# Altium PCB PCB1 - Copy.PcbDoc (part 2 of 2)
Units mil, origin at the board's own origin, x right, y up, seen from the top; angles counter-clockwise.
Board outline 5314.96 x 2362.2 mil, 2 copper layers (Top Layer, Bottom Layer); 259 components, 147 nets, 813 pads, 328 vias.
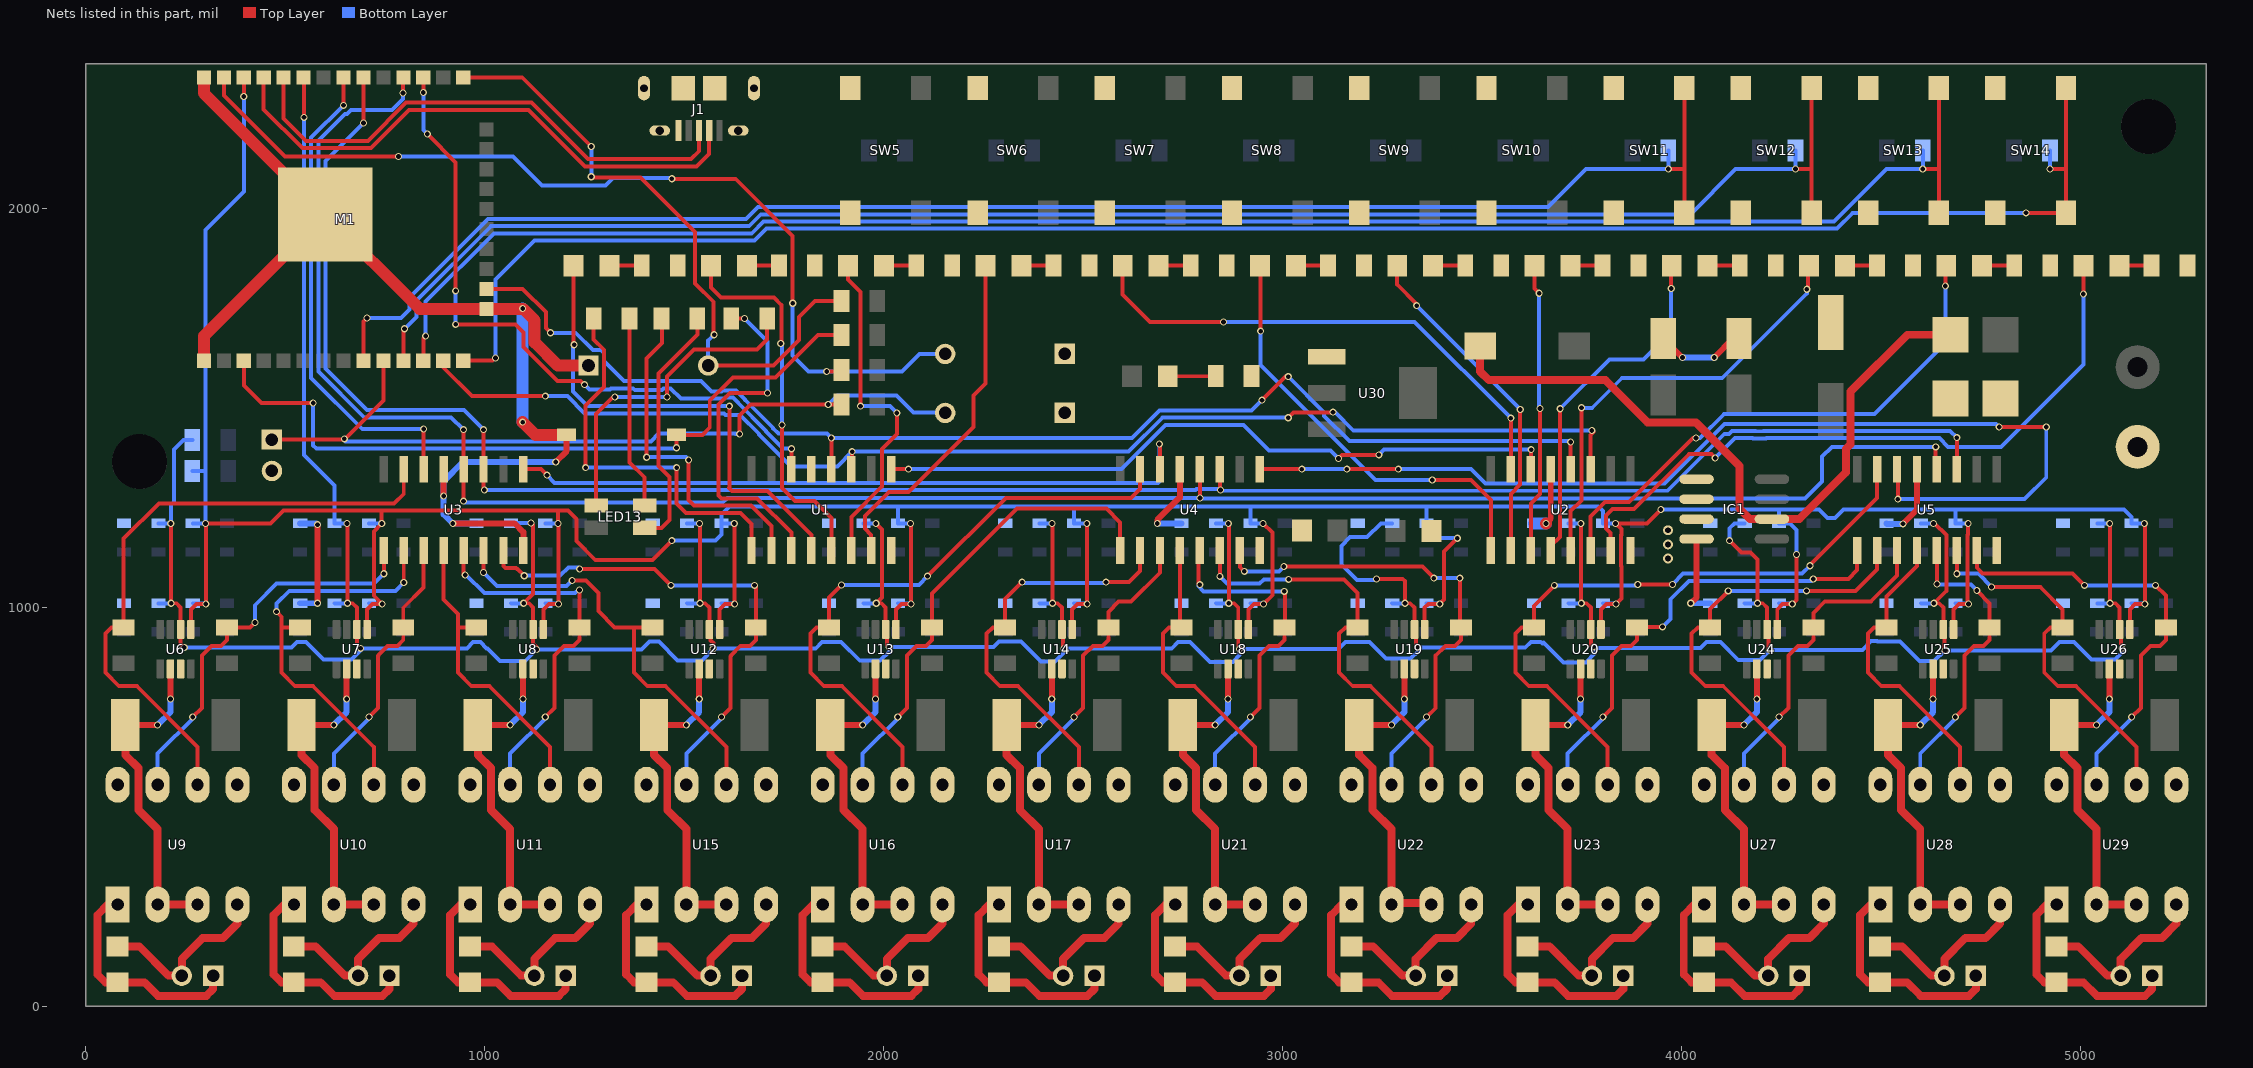
[diagram p2: the nets of this part, all layers, seen from the top]

## Via types
v1: diameter 17.72, hole 11.81, Top Layer to Bottom Layer, tented both sides, 328 vias

## Nets (pads, with @x,y where several pads share a name; then routed paths per layer and width w, separated by ;. In a path a pad name is that pad's centre, name@x,y a point inside that pad or via, vN(x,y) a via of type N, cw(c..) or ccw(c..) an arc to the next point about the centre after c; other vN are vias at no path point) (continued)
BTN_M7: M1.9 R159.2 SW11.1 SW11.4 | length 3944.3
  Top Layer w10: M1.9@696,1618 696,1716 v1(705,1725) ; v1@3966.33,2098 4006.92,2098 ; SW11.4@4006.92,1988.5 4006.92,2098 ; SW11.1@4006.92,2301.5 4006.92,2098
  Bottom Layer w10: v1(705,1725) 790,1725 811,1746 811,1775.91 1008.09,1973 1654.37,1973 1684.37,2003 3665,2003 3760.4,2098.4 v1(3966.73,2098.4) R159.2@3966.73,2144.5
BTN_M8: M1.11 R160.2 SW12.1 SW12.4 | length 4157.1
  Top Layer w10: M1.11@796,1618 796,1695 v1(799,1698) ; v1@4285.22,2098 4325.8,2098 ; SW12.4@4325.8,1988.5 4325.8,2098 ; SW12.1@4325.8,2301.5 4325.8,2098
  Bottom Layer w10: v1(799,1698) 829,1728 829,1768.46 1015.54,1955 1661.82,1955 1691.82,1985 4022,1985 4135.4,2098.4 v1(4285.62,2098.4) R160.2@4285.62,2144.5
BTN_M9: M1.12 R161.2 SW13.1 SW13.4 | length 4440.4
  Top Layer w10: M1.12@846,1618 846,1674 v1(852,1680) ; v1@4604.11,2098 4644.69,2098 ; SW13.4@4644.69,1988.5 4644.69,2098 ; SW13.1@4644.69,2301.5 4644.69,2098
  Bottom Layer w10: v1(852,1680) 852,1766 1023,1937 1669.28,1937 1699.28,1967 4382,1967 4513.4,2098.4 v1(4604.51,2098.4) R161.2@4604.51,2144.5
BTN_M10: M1.14 R162.2 SW14.1 SW14.4 | length 4685.5
  Top Layer w10: M1.14@946,1618 1020,1618 v1(1027,1625) ; v1(4863.5,1988.5) SW14.4@4963.58,1988.5 4963.58,2098 ; v1@4923,2098 4963.58,2098 ; SW14.1@4963.58,2301.5 4963.58,2098
  Bottom Layer w10: v1(1027,1625) 1027,1821 1125,1919 1676.73,1919 1706.73,1949 4389.46,1949 4428.96,1988.5 v1(4863.5,1988.5) ; v1(4923.39,2098.4) R162.2@4923.39,2144.5
DS: M1.31 U3.14 | length 1224
  Top Layer w10: v1(646,2258) M1.31@646,2328 ; U3.14@847,1346 v1(847,1447)
  Bottom Layer w10: v1(646,2258) 565,2177 565,1575 693,1447 v1(847,1447) v1@848,1448
DS_2: M1.27 U1.14 | length 1705.4
  Top Layer w10: v1(846,2290) M1.27@846,2328 ; v1(856,2186) 927,2115 v1(927,1793) ; v1(927,1709) 1077,1709 1097,1689 1097,1652.4 1181.99,1567.41 1240.59,1567.41 v1(1250,1558) ; U1.14@1768.75,1346 v1(1768.75,1397.25)
  Bottom Layer w10: v1(846,2290) 846,2196 v1(856,2186) ; v1(927,1709) v1(927,1793) ; v1(1250,1558) 1262,1546 1314.09,1546 1316.95,1548.86 1372.14,1548.86 1376,1545 1444.09,1545 1447.95,1548.86 1466.05,1548.86 1491.91,1523 1601.09,1523 1603.95,1525.86 1622.05,1525.86 1634.86,1513.05 1634.86,1512.6 1705.14,1442.31 1705.14,1440.49 1747.63,1398 1768,1398 v1(1768.75,1397.25)
GND: C13.1 C14.1 C15.2 C16.2 C17.2 DIO1.1 DIO2.1 HD1.1 IC1.5 IC1.6 IC1.7 IC1.8 J1.5 J1.S1 J1.S2 J1.S3 J1.S4 J1.S5 J1.S6 J2.2 M1.1 M1.15 M1.38 M1.101 pad.6 pad.7 pad.8 R5.2 R6.2 R7.2 R8.2 R9.2 R10.2 R11.2 R12.2 R13.2 R14.2 R15.2 R16.2 R45.1 R47.1 R49.1 R50.1 R51.1 R52.1 R78.1 R80.1 R82.1 R83.1 R84.1 R85.1 R111.1 R113.1 R115.1 R116.1 R117.1 R118.1 R144.1 R146.1 R148.1 R149.1 R150.1 R151.1 R152.2 SW1.2 SW2.1 SW3.1 SW4.1 SW5.2 SW5.3 SW6.2 SW6.3 SW7.2 SW7.3 SW8.2 SW8.3 SW9.2 SW9.3 SW10.2 SW10.3 SW11.2 SW11.3 SW12.2 SW12.3 SW13.2 SW13.3 SW14.2 SW14.3 U1.8 U1.13 U2.8 U2.13 U3.8 U3.13 U4.8 U4.13 U5.8 U5.13 U6.3 U7.3 U8.3 U9.5 U9.8 U10.5 U10.8 U11.5 U11.8 U12.3 U13.3 U14.3 U15.5 U15.8 U16.5 U16.8 U17.5 U17.8 U18.3 U19.3 U20.3 U21.5 U21.8 U22.5 U22.8 U23.5 U23.8 U24.3 U25.3 U26.3 U27.5 U27.8 U28.5 U28.8 U29.5 U29.8 U30.1 | length 4388.1
  Top Layer w15: v1(581,1010) v1(581,1207) ; v1(897,1279) U3.13@897,1346 ; v1(920,1210) 1075,1210 1097,1188 U3.8@1097,1142 ; v1(1178,1364) 1205.2,1391.2 SW1.2@1205.2,1432 ; v1(2686,1210) 2686,1219 2742.5,1275.5 U4.13@2742.5,1346 ; v1(3660,1210) 3672,1222 U2.13@3672,1346 ; C17.2@3954,1673.87 v1(4002,1625.87) ; v1(4023,1010) 4037.51,1024.51 IC1.8@4037.51,1171 ; v1(4081.87,1625.87) 4129.87,1673.87 C16.2@4144,1673.87 ; v1(4555,1209) 4590,1244 U5.13@4590,1346
  Top Layer w30: M1.1@296,1618 296,1679.65 M1.101@600.49,1984.14 ; M1.38@296,2328 296,2288.63 M1.101@600.49,1984.14 ; v1(1095,1464) 1127,1432 SW1.2@1205.2,1432 ; SW2.1@1260,1606 1183,1606 1125,1664 1125,1719 1096.08,1747.92 M1.15@1004.66,1747.92 836.71,1747.92 M1.101@600.49,1984.14
  Bottom Layer w15: R51.1@537.4,1010 v1(581,1010) ; R47.1@537.4,1210 578,1210 v1(581,1207) ; R49.1@979.22,1210 v1(920,1210) 897,1233 v1(897,1279) 897,1316 945,1364 v1(1178,1364) ; v1(2686,1210) R111.1@2746.49,1210 ; v1(4002,1625.87) v1(4081.87,1625.87) ; v1(4023,1010) R149.1@4071.94,1010 ; R146.1@4513.76,1210 4514.76,1209 v1(4555,1209)
  Bottom Layer w30: v1(1095,1464) v1(1095,1749) ; R115.1@3630.13,1210 v1(3660,1210)
L1DOWN: R23.2 U3.1 U9.7 | length 1018.2
  Top Layer w10: v1(268,725) 291,748 291,879 314.99,903 339,903 353.91,917.91 R23.2@353.91,949.45 411.45,949.45 v1(424,962) ; v1(747,1084) U3.1@747,1142
  Bottom Layer w10: U9.7@180,555 180,633 272,725 v1(268,725) ; v1(424,962) 424,1005 478,1059 722,1059 v1(747,1084)
L1UP: R24.2 U3.15 U9.6 | length 1586.4
  Top Layer w10: U9.6@280,555 280,650 128,802 83,802 49,836 49,934 64.45,949.45 R24.2@95.08,949.45 95.08,1172.08 183,1260 773,1260 797,1284 U3.15@797,1346
L2DOWN: R25.2 U3.3 U10.7 | length 700
  Top Layer w10: v1(709.82,725) 732.81,748 732.81,877.37 733.86,878.42 733.86,880.05 756.81,903 780.82,903 795.73,917.91 R25.2@795.73,949.45 795.73,998.73 847,1050 U3.3@847,1142
  Bottom Layer w10: U10.7@621.82,555 621.82,633 713.82,725 v1(709.82,725)
L2UP: R26.2 U3.2 U10.6 | length 1048.4
  Top Layer w10: v1(478,989) 490.82,976.18 490.82,949.45 ; R26.2@536.9,949.45 490.82,949.45 ; U10.6@721.82,555 721.82,650 569.82,802 524.82,802 490.82,836 490.82,949.45 ; v1(797,1062) U3.2@797,1142
  Bottom Layer w10: v1(478,989) 478,1009 510,1041 776,1041 v1(797,1062)
L3DOWN: R27.2 U3.5 U11.7 | length 953.1
  Top Layer w10: U3.5@947,1142 947,1085 v1(951,1081) ; v1(1151.64,725) 1174.63,748 1174.63,875.19 1174.86,875.42 1174.86,879.23 1198.63,903 1222.64,903 1237.55,917.91 R27.2@1237.55,949.45 v1(1237.55,1043.45)
  Bottom Layer w10: v1(951,1081) 953,1081 998.86,1035.14 1226.14,1035.14 1236,1045 v1(1237.55,1043.45) ; U11.7@1063.64,555 1063.64,633 1155.64,725 v1(1151.64,725)
L3UP: R28.2 U3.4 U11.6 | length 769.9
  Top Layer w10: U3.4@897,1142 897,1019 932.64,983.36 932.64,949.45 ; R28.2@978.72,949.45 932.64,949.45 ; U11.6@1163.64,555 1163.64,650 1011.64,802 966.64,802 932.64,836 932.64,949.45
L4DOWN: R56.2 U3.7 U15.7 | length 1298.4
  Top Layer w10: U3.7@1047,1142 1047,1103 1052,1098 1078.62,1098 1081.12,1095.5 1082.5,1095.5 v1(1099,1079) ; v1(1238,1096) 1426,1096 v1(1467,1055) ; v1(1593.45,725) 1616.45,748 1616.45,877.01 1616.86,877.42 1616.86,879.41 1640.45,903 1664.45,903 1679.37,917.91 R56.2@1679.37,949.45 1679.37,1051.63 v1(1676,1055)
  Bottom Layer w10: v1(1099,1079) 1189,1079 1210,1100 1234,1100 v1(1238,1096) ; v1(1467,1055) v1(1676,1055) ; U15.7@1505.46,555 1505.46,633 1597.45,725 v1(1593.45,725)
L4UP: R57.2 U3.6 U15.6 | length 1090.4
  Top Layer w10: v1(997,1087) U3.6@997,1142 ; v1(1219,1067) 1254,1067 1285,1036 1285,990 1325.55,949.45 1374.45,949.45 ; R57.2@1420.53,949.45 1374.45,949.45 ; U15.6@1605.46,555 1605.46,650 1453.45,802 1408.45,802 1374.45,836 1374.45,949.45
  Bottom Layer w10: v1(997,1087) 1030.86,1053.14 1205.14,1053.14 v1(1219,1067)
L5DOWN: R58.2 U4.1 U16.7 | length 1215.2
  Top Layer w10: v1(2035.27,725) 2058.27,748 2058.27,879 2082.26,903 2106.27,903 2121.19,917.91 R58.2@2121.19,949.45 2121.19,1034.19 2334,1247 2558,1247 2592.5,1212.5 U4.1@2592.5,1142
  Bottom Layer w10: U16.7@1947.27,555 1947.27,633 2039.27,725 v1(2035.27,725)
L5UP: R59.2 U4.15 U16.6 | length 1570.8
  Top Layer w10: v1(1894,1056) 1862.35,1024.35 R59.2@1862.35,949.45 1831.72,949.45 1816.27,934 1816.27,836 1850.27,802 1895.27,802 2047.27,650 U16.6@2047.27,555 ; v1(2110,1078) 2306,1274 2620,1274 2642.5,1296.5 U4.15@2642.5,1346
  Bottom Layer w10: v1(1894,1056) 2088,1056 v1(2110,1078)
L6DOWN: R60.2 U4.3 U17.7 | length 750.6
  Top Layer w10: v1(2477.09,725) 2500.09,748 2500.09,879 2524.08,903 2548.09,903 2563.01,917.91 R60.2@2563.01,949.45 2563.01,988.01 2589,1014 2620,1014 2692.5,1086.5 U4.3@2692.5,1142
  Bottom Layer w10: U17.7@2389.09,555 2389.09,633 2481.09,725 v1(2477.09,725)
L6UP: R61.2 U4.2 U17.6 | length 1044.7
  Top Layer w10: v1(2347,1063) 2304.17,1020.17 R61.2@2304.17,949.45 2273.54,949.45 2258.09,934 2258.09,836 2292.09,802 2337.09,802 2489.09,650 U17.6@2489.09,555 ; v1(2557,1063) 2615,1063 2642.5,1090.5 U4.2@2642.5,1142
  Bottom Layer w10: v1(2347,1063) 2348.86,1061.14 2555.14,1061.14 v1(2557,1063)
L7DOWN: R89.2 U4.5 U21.7 | length 891.7
  Top Layer w10: v1(2792.5,1056.5) 2789.14,1059.86 2789.14,1138.64 U4.5@2792.5,1142 ; v1(2918.91,725) 2941.9,748 2941.9,879 2965.9,903 2989.91,903 3004.82,917.91 R89.2@3004.82,949.45 3006,950.62 3006,1038 v1(3004,1040)
  Bottom Layer w10: v1(2792.5,1056.5) 2789,1053 2802,1040 v1(3004,1040) ; U21.7@2830.91,555 2830.91,633 2922.91,725 v1(2918.91,725)
L7UP: R90.2 U4.4 U21.6 | length 747.5
  Top Layer w10: U4.4@2742.5,1142 2742.5,952.94 R90.2@2745.99,949.45 2715.36,949.45 2699.91,934 2699.91,836 2733.91,802 2778.91,802 2930.91,650 U21.6@2930.91,555
L8DOWN: R91.2 U4.7 U22.7 | length 1225.2
  Top Layer w10: U4.7@2892.5,1142 2892.5,1100.5 2903,1090 v1(2904,1090) ; v1(3003,1102) 3350,1102 v1(3379,1073) ; v1(3360.73,725) 3383.72,748 3383.72,879 3407.72,903 3431.73,903 3446.64,917.91 R91.2@3446.64,949.45 3445,951.09 3445,1072 v1(3444,1073)
  Bottom Layer w10: v1(2904,1090) 2991,1090 v1(3003,1102) ; U22.7@3272.73,555 3272.73,633 3364.73,725 v1(3360.73,725) ; v1(3379,1073) v1(3444,1073)
L8UP: R92.2 U4.6 U22.6 | length 1078.4
  Top Layer w10: v1(2842.5,1077.5) U4.6@2842.5,1142 ; v1(3015,1070) 3154,1070 3187.81,1036.19 R92.2@3187.81,949.45 3157.17,949.45 3141.73,934 3141.73,836 3175.73,802 3220.73,802 3372.73,650 U22.6@3372.73,555
  Bottom Layer w10: v1@2841,1076 v1(2842.5,1077.5) 2861,1059 2942,1059 2953,1070 v1(3015,1070)
L9DOWN: R93.2 U5.1 U23.7 | length 1174.9
  Top Layer w10: v1(3802.54,725) 3825.54,748 3825.54,879 3849.54,903 3873.54,903 3888.46,917.91 R93.2@3888.46,949.45 3890.01,951 v1(3952,951) ; v1(4330,1071) 4418,1071 4440,1093 U5.1@4440,1142
  Bottom Layer w10: U23.7@3714.55,555 3714.55,633 3806.54,725 v1(3802.54,725) ; v1(3952,951) 3972,971 3972,1020 4018,1066 4325,1066 v1(4330,1071)
L9UP: R94.2 U5.15 U23.6 | length 1653.2
  Top Layer w10: v1(3681,1055) 3629.63,1003.63 R94.2@3629.63,949.45 3598.99,949.45 3583.54,934 3583.54,836 3617.54,802 3662.54,802 3814.55,650 U23.6@3814.55,555 ; v1(3890,1057) v1(3977,1057) ; v1(4322,1104) 4322,1106 4490,1274 U5.15@4490,1346
  Bottom Layer w10: v1(3681,1055) 3888,1055 v1(3890,1057) ; v1(3977,1057) 4004,1084 4302,1084 v1(4322,1104)
L10DOWN: R122.2 U5.3 U27.7 | length 833
  Top Layer w10: v1(4244.36,725) 4267.36,748 4267.36,879 4291.35,903 4315.36,903 4330.28,917.91 R122.2@4330.28,949.45 4330.28,985.28 4360,1015 4475,1015 4540,1080 U5.3@4540,1142
  Bottom Layer w10: U27.7@4156.36,555 4156.36,633 4248.36,725 v1(4244.36,725)
L10UP: R123.2 U5.2 U27.6 | length 1106.3
  Top Layer w10: v1(4117,1041) 4071.44,995.44 R123.2@4071.44,949.45 4040.81,949.45 4025.36,934 4025.36,836 4059.36,802 4104.36,802 4256.36,650 U27.6@4256.36,555 ; v1(4313,1041) 4436,1041 4490,1095 U5.2@4490,1142
  Bottom Layer w10: v1(4117,1041) v1(4313,1041)
L11DOWN: R124.2 U5.5 U28.7 | length 782.7
  Top Layer w10: v1(4640,1058) U5.5@4640,1142 ; v1(4686.18,725) 4709.18,748 4709.18,879 4733.17,903 4757.18,903 4772.1,917.91 R124.2@4772.1,949.45 4772.1,1009.9 v1(4740,1042)
  Bottom Layer w10: U28.7@4598.18,555 4598.18,633 4690.18,725 v1(4686.18,725) ; v1(4640,1058) 4641,1057 4725,1057 v1(4740,1042)
L11UP: R125.2 U5.4 U28.6 | length 777.9
  Top Layer w10: U5.4@4590,1142 4590,1103.73 4513.26,1026.99 R125.2@4513.26,949.45 4482.63,949.45 4467.18,934 4467.18,836 4501.18,802 4546.18,802 4698.18,650 U28.6@4698.18,555
L12DOWN: R126.2 U5.7 U29.7 | length 1111.7
  Top Layer w10: U5.7@4740,1142 4740,1099 4754,1085 4980,1085 v1(5010,1055) ; v1(5128,725) 5150.99,748 5150.99,879 5174.99,903 5199,903 5213.91,917.91 R126.2@5213.91,949.45 5213.91,1029.09 v1(5188,1055)
  Bottom Layer w10: v1(5010,1055) v1(5188,1055) ; U29.7@5040,555 5040,633 5132,725 v1(5128,725)
L12UP: R127.2 U5.6 U29.6 | length 959
  Top Layer w10: v1(4690,1084) U5.6@4690,1142 ; v1(4777,1051) 4899,1051 4955.08,994.92 R127.2@4955.08,949.45 4924.45,949.45 4909,934 4909,836 4943,802 4988,802 5140,650 U29.6@5140,555
  Bottom Layer w10: v1(4690,1084) 4744,1084 v1(4777,1051)
LED_BLUE: R17.2 U1.3 | length 873.4
  Top Layer w10: R17.2@1618,1724 v1(1651,1724) ; v1(1709,1537) 1615.09,1537 1586,1507.91 1586,1280 1593,1273 1683,1273 1768.75,1187.25 U1.3@1768.75,1142
  Bottom Layer w10: v1(1651,1724) 1709,1666 v1(1709,1537)
LED_GREEN: R18.2 U1.2 | length 868.3
  Top Layer w10: v1(1406,1376) 1406,1624 1444,1662 1444,1723 R18.2@1443,1724 ; v1(1511,1369) 1511,1269 1525,1255 1667,1255 1718.75,1203.25 U1.2@1718.75,1142
  Bottom Layer w10: v1(1406,1376) 1504,1376 v1(1511,1369)
LED_RED: R19.2 U1.1 | length 996.9
  Top Layer w10: v1(1253,1350) 1253,1506 1298.59,1551.59 1298.59,1645.41 1273,1671 R19.2@1273,1724 ; v1(1481,1350) 1481,1260 1505,1236 1641,1236 1668.75,1208.25 U1.1@1668.75,1142
  Bottom Layer w10: v1(1253,1350) v1(1481,1350)
M1: LED1.1 U1.4 | length 1223.8
  Top Layer w10: LED1.1@1223,1856 1223,1659 v1(1224,1658) ; v1(1613,1504) 1613,1300 1612,1299 1620,1291 1709,1291 1818.75,1181.25 U1.4@1818.75,1142
  Bottom Layer w10: v1(1224,1658) 1221.41,1655.41 1221.41,1540.59 1258,1504 v1(1613,1504)
M2: LED2.1 U1.5 | length 946.7
  Top Layer w10: LED2.1@1567.04,1856 1567.04,1800.96 1592,1776 1725,1776 1744,1757 1744,1663 v1(1742,1661) ; v1(1745,1457) 1745,1299 1778,1266 1826,1266 1868.75,1223.25 U1.5@1868.75,1142
  Bottom Layer w10: v1(1742,1661) 1745,1658 v1(1745,1457)
M3: LED3.1 U1.6 | length 855.2
  Top Layer w10: LED3.1@1911.07,1856 1911.07,1820.93 1942,1790 v1(1942,1504) ; U1.6@1918.75,1142 1918.75,1226.75 1995.25,1303.25 1995.25,1396.25 2033,1434 v1(2033,1487)
  Bottom Layer w10: v1(1942,1504) 2016,1504 v1(2033,1487)
M4: LED4.1 U1.7 | length 874.4
  Top Layer w10: U1.7@1968.75,1142 1968.75,1181.25 1953,1197 1953,1229 2013,1289 2062,1289 2225,1452 2225,1531 2255.11,1561.11 LED4.1@2255.11,1856
M5: LED5.1 U2.15 | length 1301.3
  Top Layer w10: LED5.1@2599.14,1856 2599.14,1783.86 2668,1715 v1(2852,1715) ; U2.15@3572,1346 v1(3572,1474)
  Bottom Layer w10: v1(2852,1715) 3331,1715 v1(3572,1474)
M6: LED6.1 U2.1 | length 1091.2
  Top Layer w10: v1(2945,1692) LED6.1@2945,1854.18 ; v1(3375,1319) 3472,1319 3522,1269 U2.1@3522,1142
  Bottom Layer w10: v1(2945,1692) 2945,1607 3233,1319 v1(3375,1319)
M7: LED7.1 U2.2 | length 851.8
  Top Layer w10: LED7.1@3287.21,1856 3287.21,1808.79 3336,1760 v1(3336,1756) ; U2.2@3572,1142 3572,1283.62 3595.5,1307.12 v1(3595.5,1495.5)
  Bottom Layer w10: v1(3336,1756) 3596,1496 v1(3595.5,1495.5)
M8: LED8.1 U2.3 | length 729.6
  Top Layer w10: U2.3@3622,1142 3622,1260 3645.5,1283.5 3645.5,1497.5 v1(3645,1498) ; LED8.1@3631.25,1856 3631.25,1798.75 v1(3643,1787)
  Bottom Layer w10: v1(3643,1787) 3643,1500 v1(3645,1498)
M9: LED9.1 U2.4 | length 889.4
  Top Layer w10: U2.4@3672,1142 3672,1153 3695.5,1176.5 v1(3695.5,1497.5) ; v1(3974,1799) 3974,1854.71 LED9.1@3975.29,1856
  Bottom Layer w10: v1(3695.5,1497.5) 3819,1621 3904,1621 3974,1691 v1(3974,1799)
M10: LED10.1 U2.5 | length 1124.3
  Top Layer w10: U2.5@3722,1142 3722,1241 3748.5,1267.5 3748.5,1499.5 v1(3749,1500) ; v1(4314,1797) 4317,1800 4317,1853.68 LED10.1@4319.32,1856
  Bottom Layer w10: v1(3749,1500) 3776,1500 3850,1574 4101,1574 4314,1787 v1(4314,1797)
M11: LED11.1 U2.6 | length 1350.5
  Top Layer w10: U2.6@3772,1142 3772,1228 3808,1264 3868.54,1264 4028.54,1424 v1(4036,1424) ; v1(4661,1805) 4661,1853.64 LED11.1@4663.36,1856
  Bottom Layer w10: v1(4036,1424) 4046,1424 4106.86,1484.86 4204.05,1484.86 4204.91,1484 4483,1484 4661,1662 v1(4661,1805)
M12: LED12.1 U2.7 | length 1719.3
  Top Layer w10: U2.7@3822,1142 3822,1186 3811,1197 3811,1230 3827,1246 3881,1246 4018.5,1383.5 4074.5,1383.5 v1(4084,1374) ; v1(5007,1785) 5007,1855.61 LED12.1@5007.39,1856
  Bottom Layer w10: v1(4084,1374) 4133.86,1423.86 4177.77,1423.86 4178.49,1423.14 4211.51,1423.14 4212.23,1423.86 4646.05,1423.86 4667.91,1402 4800,1402 5007,1609 v1(5007,1785)
MODE_RUN: J2.1 M1.10 R4.2 SW4.2 | length 2056
  Top Layer w10: J2.1@466.62,1420.37 v1@648,1420.37 ; v1@649,1421 746,1518 M1.10@746,1618 ; v1(1639,1434) 1639,1481 1666,1508 v1(1861,1508) R4.2@1894,1508
  Bottom Layer w10: v1(648,1422) 648,1419 651,1416 1417,1416 1436,1435 1628,1435 1629,1434 v1(1639,1434) ; v1(1861,1508) 1884,1531 2032,1531 2075,1488 2153,1488 SW4.2@2154,1487
MODE_SETUP: M1.37 R3.2 SW3.2 | length 2391.2
  Top Layer w10: M1.37@346,2328 346,2283 499,2130 v1(784,2130) ; v1(1469,2074) 1628,2074 1772,1930 v1(1772,1762) ; v1(1857,1591) 1890.34,1591 R3.2@1894,1594.67
  Bottom Layer w10: v1(784,2130) 1071.09,2130 1143.95,2057.14 1302.14,2057.14 1321,2076 1471,2076 v1(1469,2074) ; v1(1772,1762) 1772,1631 1812,1591 v1(1857,1591) 2046,1591 2090,1635 SW3.2@2154,1635
NetC1_1: C1.1 J3.1 U9.1 | length 563.1
  Top Layer w20: U9.1@80,255 56,255 29,228 29,80 49,60 C1.1@79.5,60 147,60 181,26 302,26 319.37,43.37 J3.1@319.37,76.38
NetC1_2: C1.2 J3.2 U9.4 | length 457.9
  Top Layer w20: C1.2@79.5,150 134,150 207.62,76.38 J3.2@240.63,76.38 240.63,118.63 293,171 344,171 380,207 U9.4@380,255
NetC2_1: C2.1 J4.1 U10.1 | length 563.1
  Top Layer w20: U10.1@521.82,255 497.82,255 470.82,228 470.82,80 490.82,60 C2.1@521.32,60 588.82,60 622.82,26 743.82,26 761.19,43.37 J4.1@761.19,76.38
NetC2_2: C2.2 J4.2 U10.4 | length 457.9
  Top Layer w20: C2.2@521.32,150 575.82,150 649.44,76.38 J4.2@682.45,76.38 682.45,118.63 734.82,171 785.82,171 821.82,207 U10.4@821.82,255
NetC3_1: C3.1 J5.1 U11.1 | length 563.1
  Top Layer w20: U11.1@963.64,255 939.64,255 912.64,228 912.64,80 932.64,60 C3.1@963.14,60 1030.64,60 1064.64,26 1185.64,26 1203.01,43.37 J5.1@1203.01,76.38
NetC3_2: C3.2 J5.2 U11.4 | length 457.9
  Top Layer w20: C3.2@963.14,150 1017.64,150 1091.26,76.38 J5.2@1124.27,76.38 1124.27,118.63 1176.64,171 1227.64,171 1263.64,207 U11.4@1263.64,255
NetC4_1: C4.1 J6.1 U15.1 | length 563.1
  Top Layer w20: U15.1@1405.46,255 1381.45,255 1354.45,228 1354.45,80 1374.45,60 C4.1@1404.96,60 1472.45,60 1506.45,26 1627.45,26 1644.83,43.37 J6.1@1644.83,76.38
NetC4_2: C4.2 J6.2 U15.4 | length 457.9
  Top Layer w20: C4.2@1404.96,150 1459.45,150 1533.08,76.38 J6.2@1566.09,76.38 1566.09,118.63 1618.45,171 1669.45,171 1705.46,207 U15.4@1705.46,255
NetC5_1: C5.1 J7.1 U16.1 | length 563.1
  Top Layer w20: U16.1@1847.27,255 1823.27,255 1796.27,228 1796.27,80 1816.27,60 C5.1@1846.77,60 1914.27,60 1948.27,26 2069.27,26 2086.64,43.37 J7.1@2086.64,76.38
NetC5_2: C5.2 J7.2 U16.4 | length 457.9
  Top Layer w20: C5.2@1846.77,150 1901.27,150 1974.89,76.38 J7.2@2007.9,76.38 2007.9,118.63 2060.27,171 2111.27,171 2147.27,207 U16.4@2147.27,255
NetC6_1: C6.1 J8.1 U17.1 | length 563.1
  Top Layer w20: U17.1@2289.09,255 2265.09,255 2238.09,228 2238.09,80 2258.09,60 C6.1@2288.59,60 2356.09,60 2390.09,26 2511.09,26 2528.46,43.37 J8.1@2528.46,76.38
NetC6_2: C6.2 J8.2 U17.4 | length 457.9
  Top Layer w20: C6.2@2288.59,150 2343.09,150 2416.71,76.38 J8.2@2449.72,76.38 2449.72,118.63 2502.09,171 2553.09,171 2589.09,207 U17.4@2589.09,255
NetC7_1: C7.1 J9.1 U21.1 | length 563.1
  Top Layer w20: U21.1@2730.91,255 2706.91,255 2679.91,228 2679.91,80 2699.91,60 C7.1@2730.41,60 2797.91,60 2831.91,26 2952.91,26 2970.28,43.37 J9.1@2970.28,76.38
NetC7_2: C7.2 J9.2 U21.4 | length 457.9
  Top Layer w20: C7.2@2730.41,150 2784.91,150 2858.53,76.38 J9.2@2891.54,76.38 2891.54,118.63 2943.91,171 2994.91,171 3030.91,207 U21.4@3030.91,255
NetC8_1: C8.1 J10.1 U22.1 | length 563.1
  Top Layer w20: U22.1@3172.73,255 3148.73,255 3121.73,228 3121.73,80 3141.73,60 C8.1@3172.23,60 3239.73,60 3273.73,26 3394.73,26 3412.1,43.37 J10.1@3412.1,76.38
NetC8_2: C8.2 J10.2 U22.4 | length 457.9
  Top Layer w20: C8.2@3172.23,150 3226.73,150 3300.35,76.38 J10.2@3333.36,76.38 3333.36,118.63 3385.73,171 3436.73,171 3472.73,207 U22.4@3472.73,255
NetC9_1: C9.1 J11.1 U23.1 | length 563.1
  Top Layer w20: U23.1@3614.55,255 3590.54,255 3563.54,228 3563.54,80 3583.54,60 C9.1@3614.05,60 3681.54,60 3715.54,26 3836.54,26 3853.92,43.37 J11.1@3853.92,76.38
NetC9_2: C9.2 J11.2 U23.4 | length 457.9
  Top Layer w20: C9.2@3614.05,150 3668.54,150 3742.17,76.38 J11.2@3775.18,76.38 3775.18,118.63 3827.54,171 3878.54,171 3914.55,207 U23.4@3914.55,255
NetC10_1: C10.1 J12.1 U27.1 | length 563.1
  Top Layer w20: U27.1@4056.36,255 4032.36,255 4005.36,228 4005.36,80 4025.36,60 C10.1@4055.86,60 4123.36,60 4157.36,26 4278.36,26 4295.73,43.37 J12.1@4295.73,76.38
NetC10_2: C10.2 J12.2 U27.4 | length 457.9
  Top Layer w20: C10.2@4055.86,150 4110.36,150 4183.98,76.38 J12.2@4216.99,76.38 4216.99,118.63 4269.36,171 4320.36,171 4356.36,207 U27.4@4356.36,255
NetC11_1: C11.1 J13.1 U28.1 | length 563.1
  Top Layer w20: U28.1@4498.18,255 4474.18,255 4447.18,228 4447.18,80 4467.18,60 C11.1@4497.68,60 4565.18,60 4599.18,26 4720.18,26 4737.55,43.37 J13.1@4737.55,76.38
NetC11_2: C11.2 J13.2 U28.4 | length 457.9
  Top Layer w20: C11.2@4497.68,150 4552.18,150 4625.8,76.38 J13.2@4658.81,76.38 4658.81,118.63 4711.18,171 4762.18,171 4798.18,207 U28.4@4798.18,255
NetC12_1: C12.1 J14.1 U29.1 | length 563.1
  Top Layer w20: U29.1@4940,255 4916,255 4889,228 4889,80 4909,60 C12.1@4939.5,60 5007,60 5041,26 5162,26 5179.37,43.37 J14.1@5179.37,76.38
NetC12_2: C12.2 J14.2 U29.4 | length 457.9
  Top Layer w20: C12.2@4939.5,150 4994,150 5067.62,76.38 J14.2@5100.63,76.38 5100.63,118.63 5153,171 5204,171 5240,207 U29.4@5240,255
NetDIO2_2: DIO2.2 IC1.2 L1.2 | length 1762.2
  Top Layer w20: L1.2@3494.89,1655 3494.89,1591.11 3517,1569 3809,1569 3915.05,1462.95 4036.05,1462.95 4145,1354 4145,1247 4171,1221 IC1.2@4226.49,1221 4295,1221 4411.5,1337.5 4411.5,1396.5 4423.5,1408.5 4423.5,1540.5 4566,1683 DIO2.2@4674,1683
NetLED1_2: LED1.2 R5.1 | length 80.7
  Top Layer w10: LED1.2@1313,1856 1393.02,1856 R5.1@1393.52,1856.5
NetLED2_2: LED2.2 R6.1 | length 80
  Top Layer w10: LED2.2@1657.04,1856 R6.1@1737.05,1856
NetLED3_2: LED3.2 R7.1 | length 80
  Top Layer w10: LED3.2@2001.07,1856 R7.1@2081.09,1856
NetLED4_2: LED4.2 R8.1 | length 80
  Top Layer w10: LED4.2@2345.11,1856 R8.1@2425.12,1856
NetLED5_2: LED5.2 R9.1 | length 80
  Top Layer w10: LED5.2@2689.14,1856 R9.1@2769.16,1856
NetLED6_2: LED6.2 R10.1 | length 80
  Top Layer w10: LED6.2@3033.18,1856 R10.1@3113.2,1856
NetLED7_2: LED7.2 R11.1 | length 80
  Top Layer w10: LED7.2@3377.21,1856 R11.1@3457.23,1856
NetLED8_2: LED8.2 R12.1 | length 80
  Top Layer w10: LED8.2@3721.25,1856 R12.1@3801.27,1856
NetLED9_2: LED9.2 R13.1 | length 80
  Top Layer w10: LED9.2@4065.29,1856 R13.1@4145.3,1856
NetLED10_2: LED10.2 R14.1 | length 80
  Top Layer w10: LED10.2@4409.32,1856 R14.1@4489.34,1856
NetLED11_2: LED11.2 R15.1 | length 80
  Top Layer w10: LED11.2@4753.36,1856 R15.1@4833.37,1856
NetLED12_2: LED12.2 R16.1 | length 80
  Top Layer w10: LED12.2@5097.39,1856 R16.1@5177.41,1856
NetLED13_2: LED13.2 R17.1 | length 820
  Top Layer w10: LED13.2@1279,1254.95 1279,1484 1324,1529 v1(1326,1527) ; v1(1457,1527) 1457,1578 1525,1646 1683,1646 1708,1671 R17.1@1708,1724
  Bottom Layer w10: v1(1326,1527) v1(1457,1527)
NetLED13_3: LED13.3 R18.1 | length 627.2
  Top Layer w10: LED13.3@1401.05,1199.15 1443.15,1199.15 1463,1219 1463,1326 1435.14,1353.86 1435.14,1586.14 1533,1684 R18.1@1533,1724
NetLED13_4: LED13.4 R19.1 | length 484.9
  Top Layer w10: R19.1@1363,1724 1363,1363 1401.05,1324.95 LED13.4@1401.05,1254.85
NetLED14_2: LED14.2 R152.1 | length 119.5
  Top Layer w10: LED14.2@2712,1579 R152.1@2831.5,1579
NetM1_3: M1.3 R2.1 SW1.1 | length 1864
  Top Layer w10: M1.3@396,1618 396,1556 440,1512 v1(570,1512) ; v1(1480.8,1399.8) SW1.1@1480.8,1432 1546,1432 1564,1450 1564,1518 1622,1576 1729,1576 1835.33,1682.33 R2.1@1894,1682.33
  Bottom Layer w10: v1(570,1512) 570,1406 578,1398 1479,1398 v1(1480.8,1399.8)
NetM1_25: M1.25 R1.2 SW2.2 | length 1582
  Top Layer w10: M1.25@946,2328 1094,2328 v1(1267,2155) ; v1(1267,2079) 1269,2077 1390,2077 1527,1940 1527,1812 1574,1765 1574,1683 v1(1575,1683) ; SW2.2@1560,1606 1724,1606 1788,1670 1788,1728 1828,1768 R1.2@1894,1768
  Bottom Layer w10: v1(1267,2079) v1(1267,2155) ; SW2.2@1560,1606 1560,1668 v1(1575,1683)
NetR20_2: R20.2 U6.2 U9.2 U9.3 | length 818.5
  Top Layer w15: R20.2@99.01,705 v1(180,705) ; v1(212.2,769.8) U6.2@212.2,845.59
  Top Layer w20: R20.2@99.01,705 99.01,629.99 132,597 132,492 180,444 U9.2@180,255 U9.3@280,255
  Bottom Layer w15: v1(180,705) 212.2,737.2 v1(212.2,769.8)
NetR21_2: R21.2 U7.2 U10.2 U10.3 | length 818.5
  Top Layer w15: R21.2@540.83,705 v1(621.82,705) ; v1(654.02,769.8) U7.2@654.02,845.59
  Top Layer w20: R21.2@540.83,705 540.83,629.99 573.82,597 573.82,492 621.82,444 U10.2@621.82,255 U10.3@721.82,255
  Bottom Layer w15: v1(621.82,705) 654.02,737.2 v1(654.02,769.8)
NetR22_2: R22.2 U8.2 U11.2 U11.3 | length 818.5
  Top Layer w15: R22.2@982.65,705 v1(1063.64,705) ; v1(1095.84,769.8) U8.2@1095.84,845.59
  Top Layer w20: R22.2@982.65,705 982.65,629.99 1015.64,597 1015.64,492 1063.64,444 U11.2@1063.64,255 U11.3@1163.64,255
  Bottom Layer w15: v1(1063.64,705) 1095.84,737.2 v1(1095.84,769.8)
NetR53_2: R53.2 U12.2 U15.2 U15.3 | length 818.5
  Top Layer w15: R53.2@1424.47,705 v1(1505.45,705) ; v1(1537.66,769.8) U12.2@1537.66,845.59
  Top Layer w20: R53.2@1424.47,705 1424.47,629.99 1457.46,597 1457.46,492 1505.46,444 U15.2@1505.46,255 U15.3@1605.46,255
  Bottom Layer w15: v1(1505.45,705) 1537.66,737.2 v1(1537.66,769.8)
NetR54_2: R54.2 U13.2 U16.2 U16.3 | length 818.5
  Top Layer w15: R54.2@1866.29,705 v1(1947.27,705) ; v1(1979.47,769.8) U13.2@1979.47,845.59
  Top Layer w20: R54.2@1866.29,705 1866.29,629.99 1899.27,597 1899.27,492 1947.27,444 U16.2@1947.27,255 U16.3@2047.27,255
  Bottom Layer w15: v1(1947.27,705) 1979.47,737.2 v1(1979.47,769.8)
NetR55_2: R55.2 U14.2 U17.2 U17.3 | length 818.5
  Top Layer w15: R55.2@2308.1,705 v1(2389.09,705) ; v1(2421.29,769.8) U14.2@2421.29,845.59
  Top Layer w20: R55.2@2308.1,705 2308.1,629.99 2341.09,597 2341.09,492 2389.09,444 U17.2@2389.09,255 U17.3@2489.09,255
  Bottom Layer w15: v1(2389.09,705) 2421.29,737.2 v1(2421.29,769.8)
NetR86_2: R86.2 U18.2 U21.2 U21.3 | length 818.5
  Top Layer w15: R86.2@2749.92,705 v1(2830.91,705) ; v1(2863.11,769.8) U18.2@2863.11,845.59
  Top Layer w20: R86.2@2749.92,705 2749.92,629.99 2782.91,597 2782.91,492 2830.91,444 U21.2@2830.91,255 U21.3@2930.91,255
  Bottom Layer w15: v1(2830.91,705) 2863.11,737.2 v1(2863.11,769.8)
NetR87_2: R87.2 U19.2 U22.2 U22.3 | length 818.5
  Top Layer w15: R87.2@3191.74,705 v1(3272.73,705) ; v1(3304.93,769.8) U19.2@3304.93,845.59
  Top Layer w20: R87.2@3191.74,705 3191.74,629.99 3224.73,597 3224.73,492 3272.73,444 U22.2@3272.73,255 ; U22.2@3272.73,259 U22.3@3372.73,259
  Bottom Layer w15: v1(3272.73,705) 3304.93,737.2 v1(3304.93,769.8)
NetR88_2: R88.2 U20.2 U23.2 U23.3 | length 818.5
  Top Layer w15: R88.2@3633.56,705 v1(3714.54,705) ; v1(3746.75,769.8) U20.2@3746.75,845.59
  Top Layer w20: R88.2@3633.56,705 3633.56,629.99 3666.55,597 3666.55,492 3714.55,444 U23.2@3714.55,255 U23.3@3814.55,255
  Bottom Layer w15: v1(3714.54,705) 3746.75,737.2 v1(3746.75,769.8)
NetR119_2: R119.2 U24.2 U27.2 U27.3 | length 818.5
  Top Layer w15: R119.2@4075.38,705 v1(4156.36,705) ; v1(4188.57,769.8) U24.2@4188.57,845.59
  Top Layer w20: R119.2@4075.38,705 4075.38,629.99 4108.36,597 4108.36,492 4156.36,444 U27.2@4156.36,255 U27.3@4256.36,255
  Bottom Layer w15: v1(4156.36,705) 4188.57,737.2 v1(4188.57,769.8)
NetR120_2: R120.2 U25.2 U28.2 U28.3 | length 818.5
  Top Layer w15: R120.2@4517.19,705 v1(4598.18,705) ; v1(4630.38,769.8) U25.2@4630.38,845.59
  Top Layer w20: R120.2@4517.19,705 4517.19,629.99 4550.18,597 4550.18,492 4598.18,444 U28.2@4598.18,255 U28.3@4698.18,255
  Bottom Layer w15: v1(4598.18,705) 4630.38,737.2 v1(4630.38,769.8)
NetR121_2: R121.2 U26.2 U29.2 U29.3 | length 818.5
  Top Layer w15: R121.2@4959.01,705 v1(5040,705) ; v1(5072.2,769.8) U26.2@5072.2,845.59
  Top Layer w20: R121.2@4959.01,705 4959.01,629.99 4992,597 4992,492 5040,444 U29.2@5040,255 U29.3@5140,255
  Bottom Layer w15: v1(5040,705) 5072.2,737.2 v1(5072.2,769.8)
NetU1_9: U1.9 U2.14 | length 1743.5
  Top Layer w10: U1.9@2018.75,1346 v1(2062,1346) ; v1(3140,1373) 3149,1382 v1(3241,1382) ; U2.14@3622,1346 3622,1394 v1(3623,1395)
  Bottom Layer w10: v1(2062,1346) 2063,1347 2596.46,1347 2706.46,1457 2902,1457 2966,1393 3120,1393 v1(3140,1373) ; v1(3241,1382) 3254,1395 v1(3623,1395)
NetU3_9: U3.9 U4.14 | length 1766.9
  Top Layer w10: U3.9@1097,1346 1141,1346 v1(1156,1331) ; v1(2691,1409) 2692.5,1407.5 U4.14@2692.5,1346
  Bottom Layer w10: v1(1156,1331) 1175,1312 2688,1312 2691,1315 v1(2691,1409)
NetU4_9: U4.9 U5.14 | length 2648.9
  Top Layer w10: U4.9@2942.5,1346 v1(3048,1346) ; v1(3161,1346) v1(3290,1346) ; U5.14@4540,1346 4542,1344 v1(4542,1271) ; v1(4796,1452) v1(4914,1452)
  Bottom Layer w10: v1(3048,1346) v1(3161,1346) ; v1(3290,1346) 3472,1346 3508,1310 3957.46,1310 4107.31,1459.86 4788.14,1459.86 v1(4796,1452) ; v1(4542,1271) 4860,1271 4914,1325 v1(4914,1452)
RX_1: J1.2 M1.35 | length 1406.2
  Top Layer w10: M1.35@446,2328 446,2248 543,2151 715,2151 810.64,2246.64 1109.36,2246.64 1251,2105 1531,2105 1562.59,2136.59 J1.2@1562.59,2194.7
SCL_1: M1.36 R29.1 R30.1 R31.1 R32.1 R34.1 R36.1 R62.1 R63.1 R64.1 R65.1 R67.1 R69.1 R95.1 R96.1 R97.1 R98.1 R100.1 R102.1 R128.1 R129.1 R130.1 R131.1 R133.1 R135.1 R164.2 U6.5 U7.5 U8.5 U12.5 U13.5 U14.5 U18.5 U19.5 U20.5 U24.5 U25.5 U26.5 | length 11019.4
  Top Layer w10: U6.5@263.38,944.41 263.38,994.38 277,1008 v1(301,1008) 301,1209 v1(300,1210) 463,1210 495,1242 741.81,1242 ; v1(396,2280) M1.36@396,2328 ; U7.5@705.2,944.41 705.2,994.38 718.82,1008 v1(742.82,1008) 722,1028.82 722,1190.19 v1(741.81,1210) 741.81,1242 ; U8.5@1147.02,944.41 1147.02,994.38 1160.64,1008 v1(1184.64,1008) 1184.64,1209 v1(1183.63,1210) 1183.63,1241.63 1184,1242 ; v1(1469,1167) 1421,1119 1277,1119 1230,1166 1230,1221 1209,1242 1184,1242 ; U12.5@1588.84,944.41 1588.84,994.38 1602.45,1008 v1(1626.45,1008) 1626.45,1209 v1(1625.45,1210) ; U13.5@2030.66,944.41 2030.66,994.38 2044.27,1008 v1(2068.27,1008) 2068.27,1209 v1(2067.27,1210) ; U14.5@2472.47,944.41 2472.47,994.38 2486.09,1008 v1(2510.09,1008) 2510.09,1209 v1(2509.09,1210) ; U18.5@2914.29,944.41 2914.29,994.38 2927.91,1008 v1(2951.91,1008) 2974,1030.09 2974,1186.91 v1(2950.91,1210) ; U19.5@3356.11,944.41 3356.11,999.11 3365,1008 v1(3393.73,1008) 3405,1019.27 3405,1140 v1(3438,1173) ; U20.5@3797.93,944.41 3797.93,994.38 3811.54,1008 v1(3835.54,1008) 3849,1021.46 3849,1102.62 3848.5,1103.12 3848.5,1180.88 3849,1181.38 3849,1195.54 v1(3834.54,1210) 3913,1210 v1(3948,1245) ; U24.5@4239.75,944.41 4239.75,994.38 4253.36,1008 v1(4277.36,1008) 4288,1018.64 v1(4288,1132) ; U25.5@4681.56,944.41 4681.56,994.38 4695.18,1008 v1(4719.18,1008) 4716.5,1010.68 4716.5,1180.88 4718.18,1182.56 v1(4718.18,1210) ; U26.5@5123.38,944.41 5123.38,994.38 5137,1008 v1(5161,1008) 5161,1209 v1(5160,1210) ; 741.81,1242 1184,1242
  Bottom Layer w10: R164.2@267,1342 298,1342 300,1340 ; R32.1@268.14,1010 299,1010 v1(301,1008) ; R29.1@268.14,1210 v1(300,1210) 300,1340 ; v1(396,2280) 396,2042 300,1946 300,1542 300,1340 ; R34.1@709.95,1010 740.81,1010 v1(742.82,1008) ; R30.1@709.95,1210 v1(741.81,1210) ; R36.1@1151.77,1010 1182.63,1010 v1(1184.64,1008) ; R31.1@1151.77,1210 v1(1183.63,1210) ; v1(1469,1167) 1578,1167 1593,1182 1593,1233 1613,1253 2039,1253 ; R65.1@1593.59,1010 1624.45,1010 v1(1626.45,1008) ; R62.1@1593.59,1210 v1(1625.45,1210) ; R67.1@2035.41,1010 2066.27,1010 v1(2068.27,1008) ; v1(2067.27,1210) R63.1@2035.41,1210 2035.41,1249.41 2039,1253 ; R69.1@2477.23,1010 2508.09,1010 v1(2510.09,1008) ; v1(2509.09,1210) R64.1@2477.23,1210 2477.23,1250.23 2480,1253 ; R98.1@2919.05,1010 2949.91,1010 v1(2951.91,1008) ; v1(2950.91,1210) R95.1@2919.05,1210 2919.05,1252.05 2920,1253 ; R100.1@3360.86,1010 3391.72,1010 v1(3393.73,1008) ; v1(3438,1173) 3374,1173 3360.86,1186.14 R96.1@3360.86,1210 3360.86,1252.14 3360,1253 ; R102.1@3802.68,1010 3833.54,1010 v1(3835.54,1008) ; v1(3834.54,1210) R97.1@3802.68,1210 3802.68,1241.32 3791,1253 3360,1253 ; v1(3948,1245) 4344.47,1245 4365.47,1224 4384.53,1224 4405.53,1245 4690,1245 ; R131.1@4244.5,1010 4275.36,1010 v1(4277.36,1008) ; 4244.5,1244.5 R128.1@4244.5,1210 4272,1210 4288,1194 v1(4288,1132) ; R133.1@4686.32,1010 4717.18,1010 v1(4719.18,1008) ; v1(4718.18,1210) R129.1@4686.32,1210 4686.32,1241.32 4690,1245 ; R135.1@5128.14,1010 5159,1010 v1(5161,1008) ; v1(5160,1210) R130.1@5128.14,1210 5128.14,1225.86 5109,1245 4690,1245 ; 2039,1253 2480,1253 ; 2480,1253 2480.86,1252.14 2919.14,1252.14 2920,1253 ; 2920,1253 3360,1253
SDA_1: M1.33 R33.1 R35.1 R37.1 R38.1 R40.1 R42.1 R66.1 R68.1 R70.1 R71.1 R73.1 R75.1 R99.1 R101.1 R103.1 R104.1 R106.1 R108.1 R132.1 R134.1 R136.1 R137.1 R139.1 R141.1 R163.2 U6.6 U7.6 U8.6 U12.6 U13.6 U14.6 U18.6 U19.6 U20.6 U24.6 U25.6 U26.6 | length 11822.5
  Top Layer w10: v1(213,1210) 214,1209 v1(214,1010) 227,1010 237.79,999.21 U6.6@237.79,944.41 237.79,908.21 v1(247,899) ; M1.33@546,2328 547,2327 v1(547,2228) ; v1(654.81,1210) 655.82,1209 v1(655.82,1010) 668.82,1010 679.61,999.21 U7.6@679.61,944.41 679.61,906.39 v1(689,897) ; v1(1116,1211) 1120.86,1206.14 1120.86,1033.22 v1(1097.64,1010) 1110.64,1010 1121.43,999.21 U8.6@1121.43,944.41 1121.43,908.57 1130,900 v1(1130,894) ; v1(1538.45,1210) 1539.45,1209 v1(1539.45,1010) 1552.45,1010 1563.25,999.21 U12.6@1563.25,944.41 1566.39,941.27 1566.39,916.59 1573,909.98 1573,897 v1(1572,896) ; v1(1980.27,1210) 1995.25,1195.02 1995.25,1023.98 v1(1981.27,1010) 1994.27,1010 2005.07,999.21 U13.6@2005.07,944.41 2008.21,941.27 2008.21,905.79 v1(2014,900) ; v1(2422.09,1210) 2423.09,1209 v1(2423.09,1010) 2436.09,1010 2446.88,999.21 U14.6@2446.88,944.41 2450.03,941.27 2450.03,897.97 v1(2452,896) ; v1(2863.91,1210) 2866,1207.91 2866,1011.09 v1(2864.91,1010) 2877.91,1010 2888.7,999.21 U18.6@2888.7,944.41 v1@2888.7,902.3 ; v1(3235,1071) 3301,1071 3306.73,1065.27 v1(3306.73,1010) 3319.73,1010 3330.52,999.21 U19.6@3330.52,944.41 3333.66,941.27 3333.66,904.34 v1(3339,899) ; v1(3747.54,1210) 3747.54,1011 v1(3748.54,1010) 3761.54,1010 3772.34,999.21 U20.6@3772.34,944.41 3772.34,904.66 3776,901 v1(3780,901) ; v1(4120,1167) 4150,1137 4173,1137 4190.36,1119.64 v1(4190.36,1010) 4203.36,1010 4214.16,999.21 U24.6@4214.16,944.41 4217.3,941.27 4217.3,896.7 v1(4221,893) ; v1(4631.18,1210) 4634.38,1210 4663.5,1180.88 4663.5,1041.32 v1(4632.18,1010) 4645.18,1010 4655.97,999.21 U25.6@4655.97,944.41 4659.12,941.27 4659.12,892.88 v1(4660,892) ; v1(5073,1210) 5074,1209 v1(5074,1010) 5087,1010 5097.79,999.21 U26.6@5097.79,944.41 5100.93,941.27 5100.93,900.07 v1(5104,897)
  Bottom Layer w10: R38.1@181.86,1010 182.86,1009 213,1009 v1(214,1010) ; R33.1@181.86,1210 v1(213,1210) 213,1256 221,1264 221,1395 245,1419 R163.2@267,1419 ; v1(247,899) 515.09,899 528.95,912.86 552.14,912.86 596,869 666,869 v1@694,897 ; v1(547,2228) 547,1382 623.68,1305.32 R35.1@623.68,1210 v1(654.81,1210) ; R40.1@623.68,1010 624.68,1009 654.82,1009 v1(655.82,1010) ; v1(689,897) v1@694,897 ; R42.1@1065.49,1010 1066.5,1009 1096.64,1009 v1(1097.64,1010) ; R37.1@1065.49,1210 1066.49,1211 v1(1116,1211) ; R71.1@1507.31,1010 1508.32,1009 1538.45,1009 v1(1539.45,1010) ; R66.1@1507.31,1210 v1(1538.45,1210) ; R73.1@1949.13,1010 1950.13,1009 1980.27,1009 v1(1981.27,1010) ; R68.1@1949.13,1210 v1(1980.27,1210) ; R75.1@2390.95,1010 2391.95,1009 2422.09,1009 v1(2423.09,1010) ; R70.1@2390.95,1210 v1(2422.09,1210) ; R104.1@2832.77,1010 2833.77,1009 2863.91,1009 v1(2864.91,1010) ; R99.1@2832.77,1210 v1(2863.91,1210) ; v1(3235,1071) 3232,1068 3186,1068 3147,1107 3147,1154 3169,1176 3212,1176 3246,1210 R101.1@3274.59,1210 ; R106.1@3274.59,1010 3275.59,1009 3305.73,1009 v1(3306.73,1010) ; R108.1@3716.4,1010 3717.41,1009 3747.54,1009 v1(3748.54,1010) ; R103.1@3716.4,1210 v1(3747.54,1210) ; v1(3780,901) v1@3783,898 ; v1(4120,1167) 4120,1198 4132,1210 R132.1@4158.22,1210 ; R137.1@4158.22,1010 4159.22,1009 4189.36,1009 v1(4190.36,1010) ; R139.1@4600.04,1010 4601.04,1009 4631.18,1009 v1(4632.18,1010) ; R134.1@4600.04,1210 v1(4631.18,1210) ; R141.1@5041.86,1010 5042.86,1009 5073,1009 v1(5074,1010) ; R136.1@5041.86,1210 v1(5073,1210) ; v1(5104,897) 5104,887 5086,869 5027,869 4983.14,912.86 4946.95,912.86 4926.09,892 v1(4660,892) 4633,865 4596,865 4547.3,913.7 4490.66,913.7 4489.36,915 4475,915 4453,893 v1(4221,893) 4196,868 4142,868 4097.14,912.86 4062.36,912.86 4047,897.5 3783.5,897.5 v1@3783,898 ; v1@694,897 955.09,897 970.95,912.86 989.05,912.86 1004.91,897 1007,897 1038.5,865.5 1101.5,865.5 v1(1130,894) 1393.09,894 1412.79,913.7 1436.67,913.7 1483.37,867 1544,867 1572,895 v1(1572,896) 1829,896 1845.86,912.86 1893.14,912.86 1940,866 1991,866 2014,889 v1(2014,900) 2275.3,900 2289,913.7 2344.3,913.7 2394.5,863.5 2429.5,863.5 2452,886 v1(2452,896) 2721.09,896 2737.95,912.86 2768.14,912.86 2818,863 2875,863 2892,880 v1(2892,895) 3140,895 3157.86,912.86 3217.14,912.86 3259,871 3321,871 3339,889 v1(3339,899) 3608.09,899 3621.95,912.86 3646.6,912.86 3650.73,908.73 3654,912 3704,862 3760,862 3783,885 v1@3783,898
SH_CP: M1.30 U3.11 U4.11 U5.11 | length 5274.9
  Top Layer w10: v1(696,2214) M1.30@696,2328 ; v1(997,1445) U3.11@997,1346 997,1296 v1(999,1294) ; U4.11@2842.5,1346 2842.5,1295.5 v1(2844,1294) ; U5.11@4690,1346 v1(4690,1425)
  Bottom Layer w10: v1(696,2214) 601,2119 601,1598.46 705.46,1494 948,1494 v1(997,1445) ; v1(999,1294) 2782.09,1294 2783.95,1295.86 2842.14,1295.86 v1(2844,1294) 2846,1292 3964.91,1292 4106.91,1434 4118.54,1434 4126.4,1441.86 4185.23,1441.86 4185.95,1441.14 4204.05,1441.14 4204.77,1441.86 4673.14,1441.86 v1(4690,1425)
SH_CP_2: M1.13 U1.11 U2.11 | length 3222.3
  Top Layer w10: M1.13@896,1618 896,1601 968,1529 v1(1152,1529) ; U1.11@1918.75,1346 1918,1346.75 1921,1349.75 v1(1921,1390) ; v1(3014,1475) 3027,1488 3125,1488 v1(3126,1489) ; U2.11@3772,1346 3772,1432 3779,1439 v1(3775,1443)
  Bottom Layer w10: v1(1152,1529) 1207.54,1529 1250.54,1486 1600.09,1486 1603.95,1482.14 1639.86,1482.14 1687.14,1434.86 1687.14,1433.03 1767.18,1353 1884,1353 v1(1921,1390) 2614,1390 2699,1475 v1(3014,1475) ; v1(3126,1489) 3131,1489 3177,1443 v1(3775,1443)
ST_CP: M1.28 U3.12 U4.12 U5.12 | length 5409
  Top Layer w10: v1(795,2289) 795,2327 M1.28@796,2328 ; v1(947,1266) U3.12@947,1346 v1(947,1445) ; U4.12@2792.5,1346 2792.5,1274.5 v1(2793,1274) ; v1(4637,1402) 4637,1349 U5.12@4640,1346
  Bottom Layer w10: v1(795,2289) 795,2274 767,2246 664.91,2246 655.05,2236.14 649.6,2236.14 583,2169.54 583,1591 698,1476 916,1476 v1(947,1445) ; v1(947,1266) 951,1262 1596.54,1262 1608.54,1274 v1(2793,1274) 2794.86,1272.14 4309.14,1272.14 4352,1315 4352,1377.53 4376.47,1402 v1(4637,1402)
ST_CP_2: M1.16 U1.12 U2.12 | length 3193
  Top Layer w10: M1.16@1004.66,1797.92 1094.68,1797.92 1153,1739.6 1153,1700 v1(1165,1688) ; U1.12@1868.75,1346 v1(1868.75,1424.25) ; v1(2948,1519) 3007,1578 v1(3014,1578) ; U2.12@3722,1346 v1(3722,1414)
  Bottom Layer w10: v1(1165,1688) 1228,1688 1271.41,1644.59 1290.98,1644.59 1298.59,1636.98 1298.59,1617.41 1349.14,1566.86 1542.14,1566.86 1568,1541 1593.63,1541 1596.49,1543.86 1629.51,1543.86 1652.86,1520.51 1652.86,1520.05 1723.14,1449.77 1723.14,1447.95 1735.95,1435.14 1857.86,1435.14 v1(1868.75,1424.25) 2622.79,1424.25 2691.54,1493 2922,1493 v1(2948,1519) ; v1(3014,1578) 3104.14,1487.86 3104.14,1479.95 3167.23,1416.86 3719.14,1416.86 v1(3722,1414)
TX_1: J1.3 M1.34 | length 1325.5
  Top Layer w10: M1.34@496,2328 496,2225 552,2169 707.54,2169 803.18,2264.64 1116.82,2264.64 1258.46,2123 1517,2123 1537,2143 J1.3@1537,2194.7
pads on no net: IC1.4 J1.4 M1.4 M1.5 M1.17 M1.18 M1.19 M1.20 M1.21 M1.22 M1.24 M1.32 U1.15 U2.9 U5.9 U30.4

## Polygon pours and split planes (outlines as drawn)
GND on Bottom Layer "Top Layer-No Net" (solid, remove dead copper, pour order 4): 0,0 0,1500 1150,1500 1150,2362.2 5314.96,2362.2 5314.96,0
GND on Top Layer "Top Layer-No Net" (solid, remove dead copper, pour order 6): 0,0 0,1500 1150,1500 1150,2362.2 5310,2362.2 5314.96,2362.2 5314.96,0

## Keep-outs
Keep-Out Layer:
  the board outline again, w10

## Silkscreen, mask and mechanical layers (free items; w line width, h text height)
Top Overlay:
  text "12V" at 5073,1731 h60
  text "GND" at 5068,1201 h60
Bottom Overlay:
  drawing of 2330 lines, arcs and shapes, not listed
  text "GND" at 1000,1456 h30
  text "SDA" at 1099.67,1456 h30
  text "SCL" at 1199.33,1456 h30
  text "3V3" at 1299,1456 h30
  text "A1" at 1132,1390 h30
  text "GND" at 1000,1332 h30
  text "SDA" at 1099.67,1332 h30
  text "SCL" at 1199.33,1332 h30
  text "3V3" at 1299,1332 h30
  text "A0" at 1137,1266 h30

## Text inside footprints (layer, text, board x,y; h text height)
J1: Mechanical 13 "PCB END" at 1613.77,2383.68 h19.68 r180
M1: Top Overlay "www.EvertDekker.com" at 76,1803 h19.68 r90